# KiCad board Stima V4 Master.kicad_pcb (continued)
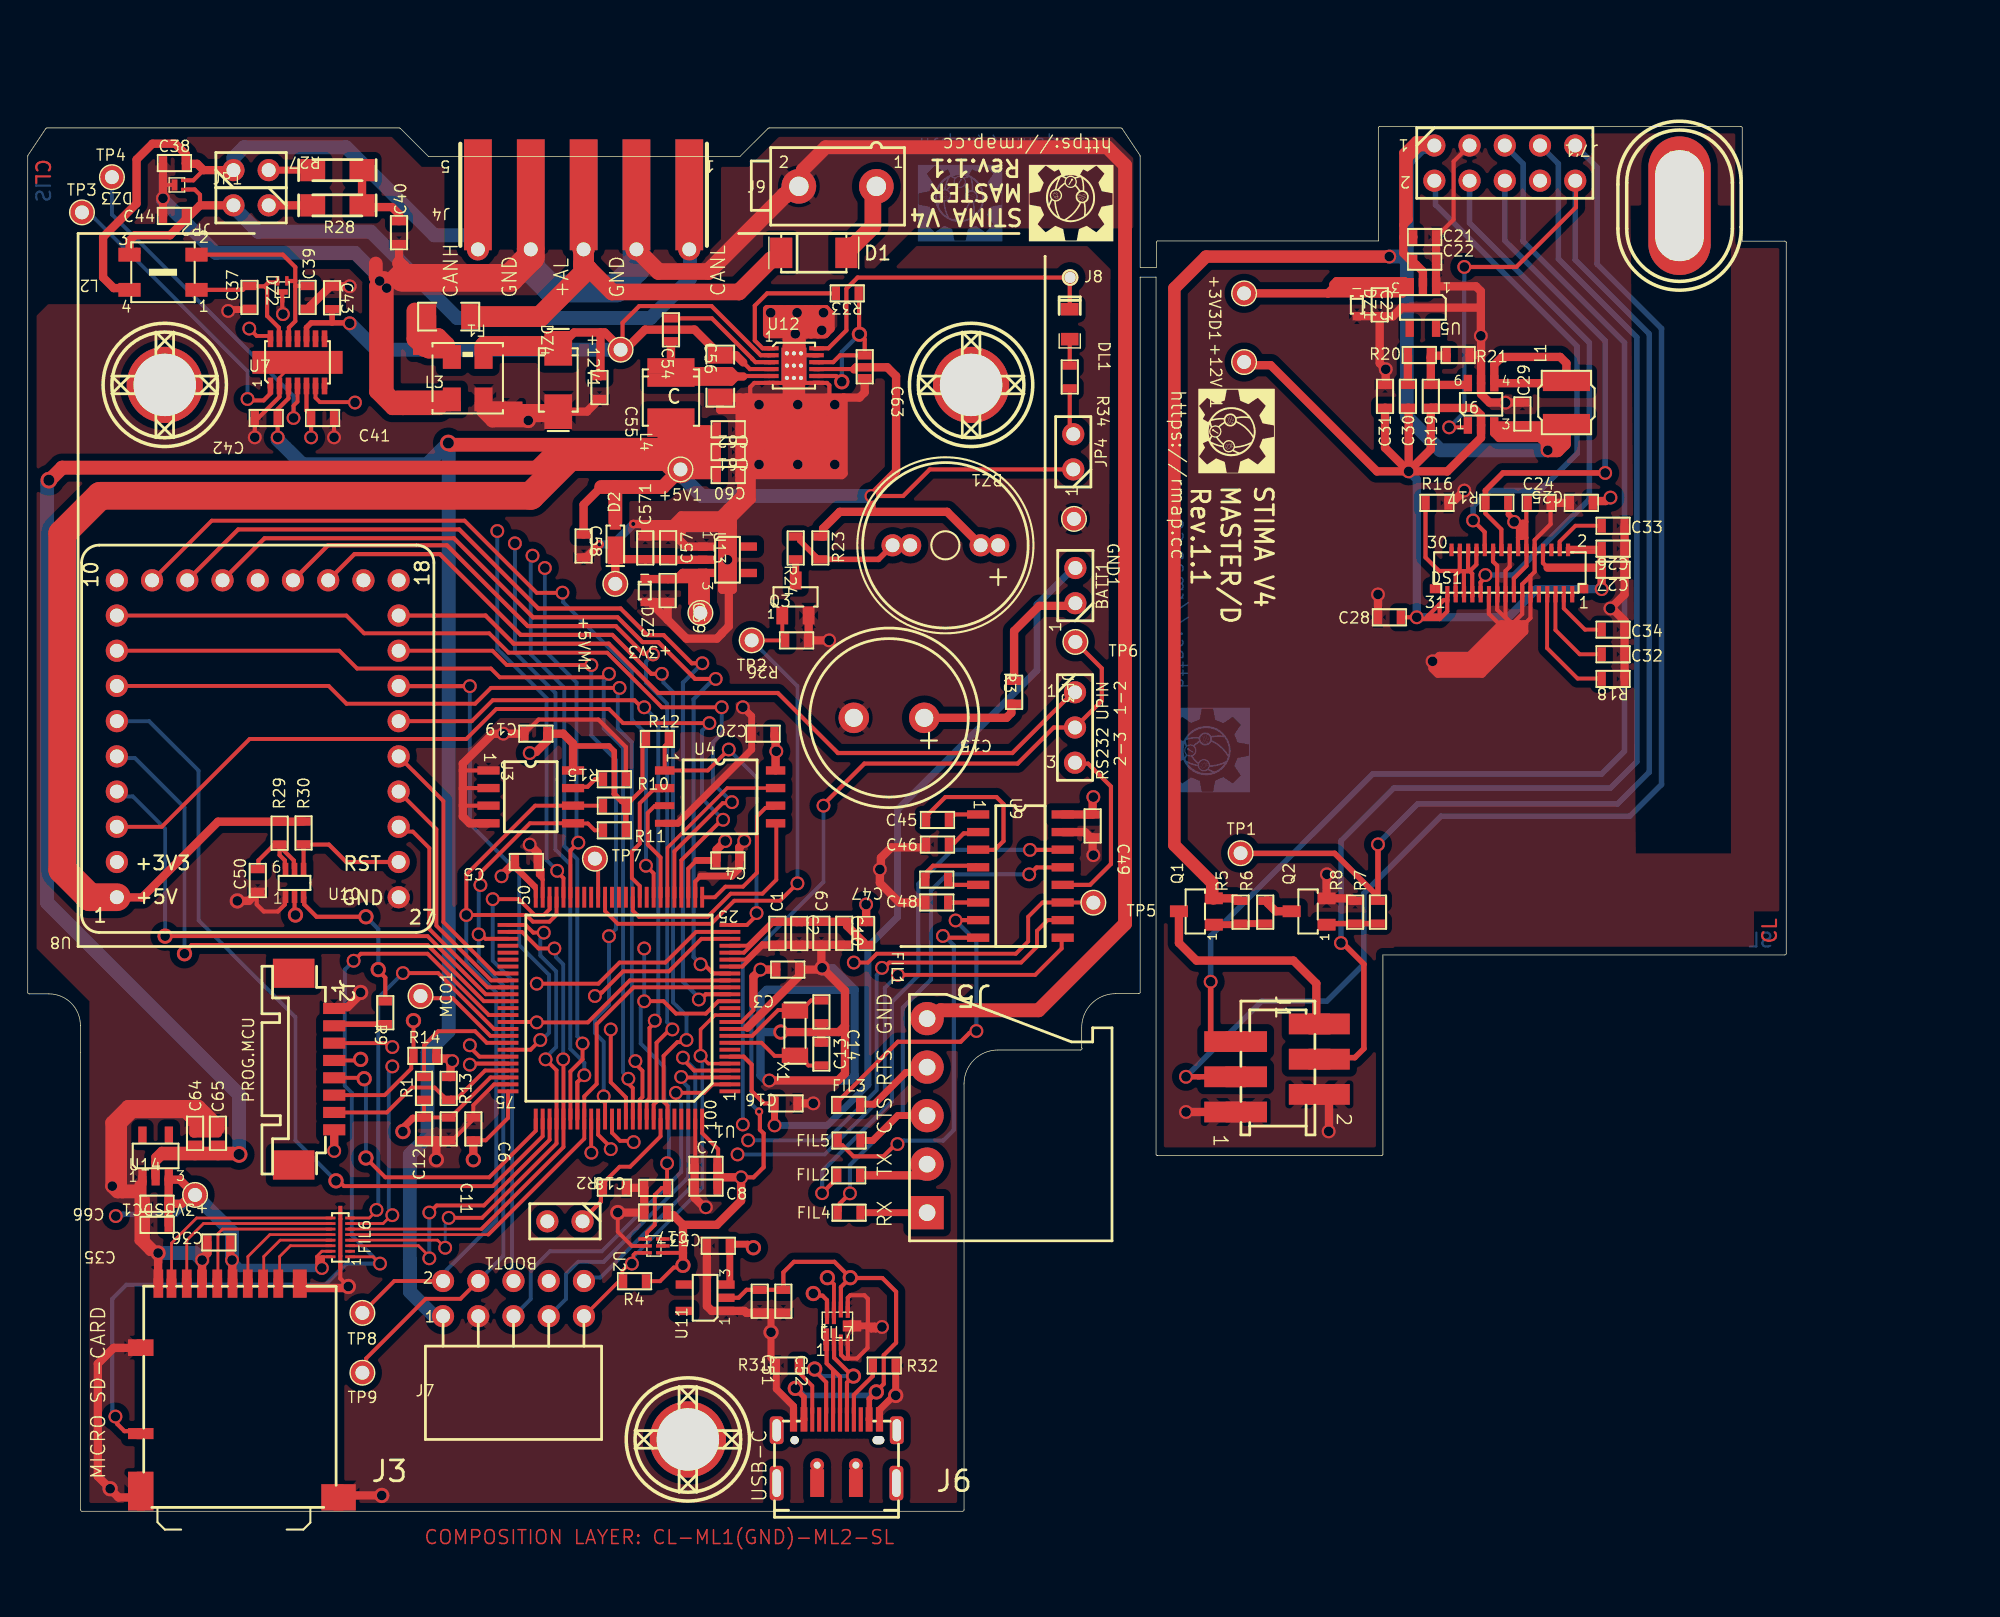
[diagram p0: board, top side]
## Footprints (pads in the part's own frame, mm; a bottom-side part is the same pattern mirrored in y, then rotated) (continued)
FILTRO DLW5B MIO
  rect 2.3x0.7 smd: 1(-1.143,0) 1(0,0) 2(3.302,0) 2(4.445,0) 3(3.302,-4.064) 3(4.445,-4.064) 4(-1.143,-4.064) 4(0,-4.064)
  rect 1.3x1.7 smd: 1(0.508,-0.508) 2(2.794,-0.508) 3(2.794,-3.556) 4(0.508,-3.556)
HVSON14 MIO
  rect 0.4x0.8 smd: 1(0,0) 1(0,-0.406) 2(0.65,0) 2(0.65,-0.406) 3(1.3,0) 3(1.3,-0.406) 4(1.95,0) 4(1.95,-0.406) 5(2.6,0) 5(2.6,-0.406) 6(3.25,0) 6(3.25,-0.406) 7(3.9,0) 7(3.9,-0.406) 8(3.9,3.406) 8(3.9,3) 9(3.25,3.406) 9(3.25,3) 10(2.6,3.406) 10(2.6,3) 11(1.95,3.406) 11(1.95,3) 12(1.3,3.406) 12(1.3,3) 13(0.65,3.406) 13(0.65,3) 14(0,3.406) 14(0,3)
  rect 6.5x1.65 smd: 15(1.95,1.5)
LQFP100P05
  rect 1.5x0.28 smd: 1(0,0) 2(0,-0.5) 3(0,-1) 4(0,-1.5) 5(0,-2) 6(0,-2.5) 7(0,-3) 8(0,-3.5) 9(0,-4) 10(0,-4.5) 11(0,-5) 12(0,-5.5) 13(0,-6) 14(0,-6.5) 15(0,-7) 16(0,-7.5) 17(0,-8) 18(0,-8.5) 19(0,-9) 20(0,-9.5) 21(0,-10) 22(0,-10.5) 23(0,-11) 24(0,-11.5) 25(0,-12) 51(16,-12) 52(16,-11.5) 53(16,-11) 54(16,-10.5) 55(16,-10) 56(16,-9.5) 57(16,-9) 58(16,-8.5) 59(16,-8) 60(16,-7.5) 61(16,-7) 62(16,-6.5) 63(16,-6) 64(16,-5.5) 65(16,-5) 66(16,-4.5) 67(16,-4) 68(16,-3.5) 69(16,-3) 70(16,-2.5) 71(16,-2) 72(16,-1.5) 73(16,-1) 74(16,-0.5) 75(16,0)
  rect 0.28x1.5 smd: 26(2,-14) 27(2.5,-14) 28(3,-14) 29(3.5,-14) 30(4,-14) 31(4.5,-14) 32(5,-14) 33(5.5,-14) 34(6,-14) 35(6.5,-14) 36(7,-14) 37(7.5,-14) 38(8,-14) 39(8.5,-14) 40(9,-14) 41(9.5,-14) 42(10,-14) 43(10.5,-14) 44(11,-14) 45(11.5,-14) 46(12,-14) 47(12.5,-14) 48(13,-14) 49(13.5,-14) 50(14,-14) 76(14,2) 77(13.5,2) 78(13,2) 79(12.5,2) 80(12,2) 81(11.5,2) 82(11,2) 83(10.5,2) 84(10,2) 85(9.5,2) 86(9,2) 87(8.5,2) 88(8,2) 89(7.5,2) 90(7,2) 91(6.5,2) 92(6,2) 93(5.5,2) 94(5,2) 95(4.5,2) 96(4,2) 97(3.5,2) 98(3,2) 99(2.5,2) 100(2,2)
MELFRESMMA0204
  rect 1.8x1.6 smd: 1(0,0) 2(3.556,0)
MICROSMP
  rect 2x1.1 smd: 1(0,0)
  rect 0.8x0.8 smd: 2(1.9,0)
MOLEX8P1_25SMD
  rect 2.1x3 smd: (-2.54,-2.921) (11.29,-2.921)
  rect 0.8x1.6 smd: 1(0,0) 2(1.25,0) 3(2.5,0) 4(3.75,0) 5(5,0) 6(6.25,0) 7(7.5,0) 8(8.75,0)
QFN-3L-DFN1110-MIO
  rect 0.45x0.25 smd: 1(-1.27,0.33) 1(-1.041,0.33) 2(-1.27,-0.33) 2(-1.041,-0.33)
  rect 0.4x0.8 smd: 3(-0.356,0)
  rect 0.4x0.3 smd: 3(0,0) 3(0.203,0)
QMELFD
  rect 1.6x2.2 smd: 1(0,0) 2(4.699,0)
SD CARD MICRO HIROSE MIO
  rect 0.7x1.4 smd: 1(0,0.635) 1(0,0) 2(-1.1,0.635) 2(-1.1,0) 3(-2.2,0.635) 3(-2.2,0) 4(-3.3,0.635) 4(-3.3,0) 5(-4.4,0.635) 5(-4.4,0) 6(-5.5,0.635) 6(-5.5,0) 7(-6.6,0.635) 7(-6.6,0) 8(-7.7,0.635) 8(-7.7,0) CD2(-8.65,0.635) CD2(-8.65,0)
  rect 1.2x0.8 smd: CD1(-10.235,-10.5) CD1(-9.6,-10.5)
  rect 1.2x1.2 smd: SCH(-10.235,-4.3) SCH(-9.6,-4.3)
  rect 1.2x2.8 smd: SCH(-10.235,-14.65) SCH(-9.6,-14.65)
  rect 1x1.4 smd: SCH(1.55,0.635) SCH(1.55,0)
  rect 1.6x1.9 smd: SCH(3.9,-15.1) SCH(4.789,-15.1)
SMA
  rect 2.5x2 smd: 1(0,0) 2(4.572,0)
SO8
  rect 0.6x1.6 smd: 1(0,0) 2(1.27,0) 3(2.54,0) 4(3.81,0) 5(3.81,6.096) 6(2.54,6.096) 7(1.27,6.096) 8(0,6.096)
SO8W
  rect 1.4x0.6 smd: 1(0,0) 2(0,-1.27) 5(8,-3.81) 6(8,-2.54) 7(8,-1.27) 8(8,0)
  rect 1.4x0.5 smd: 3(0,-2.54) 4(0,-3.81)
SO16
  rect 0.6x1.6 smd: 1(0,0) 2(1.27,0) 3(2.54,0) 4(3.81,0) 5(5.08,0) 6(6.35,0) 7(7.62,0) 8(8.89,0) 9(8.89,6.096) 10(7.62,6.096) 11(6.35,6.096) 12(5.08,6.096) 13(3.81,6.096) 14(2.54,6.096) 15(1.27,6.096) 16(0,6.096)
SOD 523(SC-79)
  rect 0.6x0.6 smd: 1(0,0) 2(1.651,0)
SOT23
  rect 0.85x1.3 smd: 1(0,0) 2(1.9,0) 3(0.965,2.515)
SOT23_5
  rect 0.6x1.2 smd: 1(0,0) 2(0.95,0) 3(1.9,0) 4(1.905,3.048) 5(0,3.048)
SOT23_6
  rect 0.6x1.2 smd: 1(0,0) 2(0.95,0) 3(1.9,0) 4(1.905,3.048) 5(0.95,3.048) 6(0,3.048)
SOT363(SC70)
  rect 0.4x0.9 smd: 1(0,0) 2(0.65,0) 3(1.3,0) 4(1.3,2) 5(0.65,2) 6(0,2)
STRIP2P
  round 1.6 hole 1: 1(0,0) 2(2.54,0)
STRIP3PP254
  round 1.6 hole 1: 1(0,0) 2(2.54,0) 3(5.08,0)
TDFN 12L MIO
  rect 0.8x0.3 smd: 1(0,0) 1(0.254,0) 2(0,-0.5) 2(0.254,-0.5) 3(0,-1) 3(0.254,-1) 4(0,-1.5) 4(0.254,-1.5) 5(0,-2) 5(0.254,-2) 6(0,-2.5) 6(0.254,-2.5) 7(3.254,-2.5) 7(3.508,-2.5) 7(3.508,-2.5) 8(3.254,-2) 8(3.508,-2) 9(3.254,-1.5) 9(3.508,-1.5) 10(3.254,-1) 10(3.508,-1) 11(3.254,-0.5) 11(3.508,-0.5) 12(3.254,0) 12(3.508,0)
  round 0.6 hole 0.3: 13(1.246,-0.361) 13(1.246,-1.25) 13(1.246,-2.139) 13(1.754,-0.361) 13(1.754,-2.139) 13(2.262,-0.361) 13(2.262,-1.25) 13(2.262,-2.139)
  rect 1.8x2.6 hole 0.3: 13(1.754,-1.25)
TP
  round 1.8 hole 1: 1(0,0)
UDFN6 - MIO
  rect 0.25x0.7 smd: 1(0,0) 1(0,-0.279) 2(0.5,0) 2(0.5,-0.279) 3(1,0) 3(1,-0.279) 4(1,1.279) 4(1,1) 5(0.5,1.279) 5(0.5,1) 6(0,1.279) 6(0,1)
UPIN27_OK
  round 1.6 hole 1: 1(0,0) 2(0,-2.54) 3(0,-5.08) 4(0,-7.62) 5(0,-10.16) 6(0,-12.7) 7(0,-15.24) 8(0,-17.78) 9(0,-20.32) 10(0,-22.86) 11(-2.54,-22.86) 12(-5.08,-22.86) 13(-7.62,-22.86) 14(-10.16,-22.86) 15(-12.7,-22.86) 16(-15.24,-22.86) 17(-17.78,-22.86) 18(-20.32,-22.86) 19(-20.32,-20.32) 20(-20.32,-17.78) 21(-20.32,-15.24) 22(-20.32,-12.7) 23(-20.32,-10.16) 24(-20.32,-7.62) 25(-20.32,-5.08) 26(-20.32,-2.54) 27(-20.32,0)
USB TYPE C 16PIN MIO
  rrect 1x2 hole 0.6x1.6: (-1.218,-0.406) (7.443,-0.406)
  rrect 1x2.5 hole 0.6x2: (-1.218,-4.216) (7.418,-4.216)
  round 0.6 hole 0.6 unplated: (0.077,-1.118)
  round 1 hole 0.5: (1.702,-2.921) (4.497,-2.921)
  rect 1x2 smd: (1.703,-4.216) (4.497,-4.216)
  oval 0.85x0.6 hole 0.85x0.6 unplated: (6.123,-1.118)
  rect 0.52x1 smd: A1(0,0) A12(6.2,0) B1(6.2,0.762) B12(0,0.762)
  rect 0.5x1 smd: A4(0.75,0) A9(5.45,0) B4(5.45,0.762) B9(0.75,0.762)
  rect 0.291x1.75 smd: A5(1.349,0.375)
  rect 0.3x1.75 smd: A6(2.85,0.375) A7(3.85,0.375) A8(4.85,0.375) B5(4.35,0.375) B6(3.35,0.375) B7(2.35,0.375) B8(1.85,0.375)
VIAS0_8
  round 1.2 hole 0.8: 1(0,0)
ViteDado4
  round 5.5 hole 4.5: 1(0,0)
WDFN8 - MIO
  rect 0.4x1.2 smd: 1(0,0) 1(0,-0.432)
  rect 0.3x1.2 smd: 2(0.551,0) 2(0.551,-0.432) 7(0.551,1.935) 7(0.551,1.503) 8(0.051,1.935) 8(0.051,1.503)
  rect 0.3x0.75 smd: 3(1.051,-0.225) 3(1.051,-0.657) 4(1.551,-0.225) 4(1.551,-0.657) 5(1.551,2.16) 5(1.551,1.729) 6(1.051,2.16)
  rect 0.3x0.7 smd: 6(1.051,1.729)
  rect 0.9x0.8 smd: GND(1.639,0.777) GND(2.071,0.777)

## Nets
3V3USB: C11.1 C12.2 C53.1 R1.1 U1.73 U11.3
+3V3: +3V3.1 BOOT1.2 C3.2 C4.2 C5.2 C6.2 C7.2 C8.2 C17.1 C19.1 C20.1 C41.1 C49.1 C59.1 DZ5.1 FIL1.1 J2.8 R4.2 R10.2 R11.2 R12.1 R13.2 R14.2 U1.11 U1.28 U1.50 U1.75 U1.100 U2.4 U3.8 U4.8 U7.5 U8.2 U9.16 U10.2 U13.3
+3V3D: +3V3D1.1 C23.1 C24.1 C25.1 DS1.12 DS1.14 DS1.15 DZ1.1 R17.1 U5.3
+3V3SDC: +3V3SDC1.1 C35.1 C36.1 C66.1 FIL6.15 FIL6.16 J3.4 U14.3
+5V: +5V1.1 BZ1.1 C21.1 C22.1 C29.1 C42.1 C58.1 C60.2 C61.2 C62.2 C64.1 C65.1 D2.2 J7.1 J7'1.1 JP4.1 L1.1 L4.2 Q1.2 R5.2 R23.2 R29.2 R30.2 U5.2 U6.3 U7.3 U8.1 U12.9 U14.2
+5VE: J1.6 Q1.3
+12V: +12V1.1 C43.2 C55.1 C56.1 DZ4.1 L3.2 U7.10 U12.2 U12.4
/Stima V4 Master_Display&SDC/+12VD: +12VD1.1 C26.2 C27.2 C28.2 C30.1 C31.1 DS1.2 DS1.8 DS1.31 R19.1 U6.2
GND: C1.1 C2.2 C3.1 C4.1 C5.1 C6.1 C7.1 C8.1 C9.1 C10.2 C11.2 C12.1 C13.2 C14.2 C15.2 C16.1 C17.2 C18.2 C19.2 C20.2 C21.2 C22.2 C23.2 C24.2 C25.2 C26.1 C27.1 C28.1 C29.2 C31.2 C32.2 C33.2 C34.2 C35.2 C36.2 C37.1 C39.1 C41.2 C42.2 C43.1 C46.1 C48.1 C49.2 C50.1 C51.2 C52.2 C53.2 C55.2 C56.2 C57.2 C58.2 C59.2 C60.1 C61.1 C62.1 C63.2 C64.2 C65.2 C66.2 C571.2 DS1.10 DS1.11 DS1.13 DS1.16 DS1.17 DS1.19 DS1.20 DS1.21 DZ1.2 DZ2.3 DZ4.2 DZ5.2 FIL6.17 FIL7.3 FIL7.4 FIL7.5 FIL7.GND GND1.1 J1.1 J1.2 J2.1 J3.6 J3.CD2 J3.SCH J6.A1 J6.A12 J6.B1 J6.B12 J7.3 J7'1.3 L3.3 Q2.2 Q3.2 R2.1 R8.2 R15.1 R16.2 R18.1 R21.2 R26.1 R31.1 R32.2 U1.10 U1.19 U1.20 U1.27 U1.49 U1.74 U1.99 U2.2 U3.1 U3.2 U3.3 U3.4 U4.4 U5.1 U6.5 U7.2 U7.15 U8.27 U9.15 U10.1 U11.1 U12.6 U12.7 U12.11 U12.13 U13.1 U14.1
+AL: D1.1 F1.1 J4.3
-RES_DISP: DS1.18 J7.6 J7'1.6 R17.2 U1.48
-RESET: C18.1 R9.1 U1.14 U2.1 U10.3
/Stima V4 Master_Can_RS232/CANH: C38.2 DZ3.2 J4.5 JP1.1 L2.4
/Stima V4 Master_Can_RS232/CANL: C44.2 DZ3.1 J4.1 JP2.2 L2.3
/Stima V4 Master_Can_RS232/RST: R30.1 U8.26 U10.4
/Stima V4 Master_Can_RS232/USART2_RX: JP3.1 U8.19
/Stima V4 Master_Cpu/PA2/F_-CS: R12.2 U1.25 U4.1
/Stima V4 Master_Cpu/PA3/F_SCK: U1.26 U4.6
/Stima V4 Master_Cpu/PA6/F_I/O3: U1.31 U4.7
/Stima V4 Master_Cpu/PA7/F_I/O2: U1.32 U4.3
/Stima V4 Master_Cpu/PA13/SWDIO: J2.7 R13.1 U1.72
/Stima V4 Master_Cpu/PA14/SWCLK: J2.5 U1.76
/Stima V4 Master_Cpu/PB0/F_I/O1: U1.35 U4.2
/Stima V4 Master_Cpu/PB1/F_I/O0: U1.36 U4.5
/Stima V4 Master_Cpu/PB3/SWO: J2.3 U1.89
/Stima V4 Master_Cpu/USART4_RX: J2.6 R14.1 U1.24
/Stima V4 Master_Cpu/USART4_TX: J2.4 U1.23
BUZZER: Q3.1 R26.2 TP2.1 U1.40
CAN1_RX: TP4.1 U1.81 U7.4
CAN1_TX: TP3.1 U1.82 U7.1
EGND: C38.1 C40.1 C44.1 DZ3.3 J4.2 J4.4 J5.5 J9.2 L3.4
EN+5VE: J7.10 J7'1.10 R7.2 TP1.1 U1.4 U6.1
EN_CAN: U1.45 U7.6
ENC_A: J1.5 J7.5 J7'1.5 U1.2
ENC_B: J1.4 J7.7 J7'1.7 U1.3
I2C1_SCL: U1.95 U8.16
I2C1_SDA: U1.93 U8.15
KEY1: J1.3 J7.9 J7'1.9 R4.1 U1.5 U1.12 U2.3
PA11/USB_DM: FIL7.7 U1.70
PA12/USB_DP: FIL7.8 U1.71
PB10/I2C2_SCL: DS1.22 J7.2 J7'1.2 R10.1 TP8.1 U1.47 U3.6
PB14/I2C2_SDA: DS1.23 J7.4 J7'1.4 R11.1 TP9.1 U1.53 U3.5
PD3/232_CTS: U1.84 U9.9
PD4/232_RTS: U1.85 U9.10
PD5/232_TX: TP5.1 U1.86 U8.20 U9.11
PD6/232_RX: JP3.2 TP6.1 U1.87
SD_DTC: FIL6.1 J3.CD1 U1.64
SDMMC1_CK: FIL6.6 U1.52 U1.80
SDMMC1_CMD: FIL6.5 U1.16 U1.83
SDMMC1_D0: FIL6.7 U1.17 U1.65
SDMMC1_D1: FIL6.8 U1.66
SDMMC1_D2: FIL6.3 U1.78
SDMMC1_D3: FIL6.4 U1.51 U1.79
SPI1_CLK: U1.30 U8.9
SPI1_MISO: U1.90 U8.8
SPI1_MOSI: U1.91 U8.7
SPI1_NSS: U1.29 U8.3
STB_CAN: U1.46 U7.14
UPIN27_D4: U1.58 U8.23
UPIN27_D5: U1.59 U8.24
UPIN27_D6: U1.60 U8.25
UPIN27_D8: U1.61 U8.4
UPIN27_D9: U1.62 U8.5
UPIN27_D10: U1.77 U8.6
UPIN27_PC0: U1.15 U8.12
UPIN27_PC3: U1.18 U8.13
UPIN27_PC4: U1.33 U8.11
USART1_RX: U1.69 U8.21
USART1_TX: U1.92 U8.22
Net-(BATT1-Pad1): BATT1.1 R3.1
Net-(BZ1--): BZ1.2 R23.1 R24.1
Net-(C15-Pad1): C15.1 R3.2
Net-(C30-Pad2): C30.2 R20.1
Net-(C40-Pad2): C40.2 R27.1 R28.2
Net-(D1-A): D1.2 J9.1
Net-(D2-K): +5VM1.1 C57.1 C571.1 D2.1 U13.2
Net-(DL1-A): DL1.2 R34.1
Net-(DL1-K): DL1.1 J8.1 U12.12
Net-(DS1-D2): DS1.24 DS1.25 DS1.26 DS1.27 DS1.28 DS1.29 R16.1
Net-(DS1-IREF): DS1.7 R18.2
Net-(DS1-VCOMH): C33.1 DS1.4
Net-(DS1-VSEGM): C34.1 DS1.3
Net-(DS1-VSL): C32.1 DS1.5
Net-(F1-Pad2): F1.2 L3.1
Net-(FIL2-Pad2): FIL2.2 J5.2
Net-(FIL3-Pad2): FIL3.2 J5.4
Net-(FIL4-Pad2): FIL4.2 J5.1
Net-(FIL5-Pad2): FIL5.2 J5.3
Net-(FIL6-CLK_EX): FIL6.11 J3.5
Net-(FIL6-CMD_EX): FIL6.12 J3.3
Net-(FIL6-DAT0_EX): FIL6.10 J3.7
Net-(FIL6-DAT1_EX): FIL6.9 J3.8
Net-(FIL6-DAT2_EX): FIL6.14 J3.1
Net-(FIL6-DAT3_EX): FIL6.13 J3.2
Net-(FIL7-IN1+): FIL7.1 J6.A6 J6.B6
Net-(FIL7-IN1-): FIL7.2 J6.A7 J6.B7
Net-(FIL7-VBUS/ID): C51.1 C52.1 FIL7.6 J6.A4 J6.A9 J6.B4 J6.B9 U11.2
Net-(J2-Pad2): J2.2 R9.2
Net-(J6-CC1): J6.A5 R31.2
Net-(J6-CC2): J6.B5 R32.1
Net-(JP1-Pad2): JP1.2 R27.2
Net-(JP2-Pad1): JP2.1 R28.1
Net-(JP4-Pad2): JP4.2 R34.2
Net-(Q1-B): Q1.1 R5.1 R6.1
Net-(Q2-D): Q2.3 R6.2
Net-(Q2-G): Q2.1 R7.1 R8.1
Net-(Q3-D): Q3.3 R24.2
Net-(U1A-PA8): MCO1.1 U1.67
Net-(U1A-PA9): R1.2 U1.68
Net-(U1A-PE10): TP7.1 U1.41
Net-(U1B-PC14/OSC32_IN): C13.1 U1.8 X1.2
Net-(U1B-PC15/OSC32_OUT): C14.1 U1.9 X1.1
Net-(U1B-PH3/BOOT0): BOOT1.1 R2.2 U1.94
Net-(U1B-VBAT): BATT1.2 C16.2 U1.6
Net-(U1B-VDDA): C1.2 C2.1 C9.2 C10.1 FIL1.2 U1.21 U1.22
Net-(U3-WP): R15.2 U3.7
Net-(U6-LX): L1.2 U6.4
Net-(U6-VFB): R19.2 R20.2 R21.1 U6.6
Net-(U7-CANH): C37.2 DZ2.2 L2.1 U7.13
Net-(U7-CANL): C39.2 DZ2.1 L2.2 U7.12
Net-(U9-C1+): C45.2 U9.1
Net-(U9-C1-): C45.1 U9.3
Net-(U9-C2+): C47.2 U9.4
Net-(U9-C2-): C47.1 U9.5
Net-(U9-DO1): FIL2.1 U9.14
Net-(U9-DO2): FIL3.1 U9.7
Net-(U9-RIN1): FIL4.1 U9.13
Net-(U9-RIN2): FIL5.1 U9.8
Net-(U9-RO1): JP3.3 U9.12
Net-(U9-V+): C46.2 U9.2
Net-(U9-V-): C48.2 U9.6
Net-(U10-EN): C50.2 R29.1 U10.5 U10.6
Net-(U12-BIAS): C63.1 R33.1 U12.8 U12.10
Net-(U12-BST): C54.1 U12.3
Net-(U12-LX): C54.2 L4.1 U12.5
Net-(U12-SPS): R33.2 U12.1

Pads without a net: A1 1; A2 1; A3 1; A4 1; DS1 1 6 9 30; FIL6 2; J6 A8 B8; J7 8; J7'1 8; U1 1 7 13 34 37 38 39 42 43 44 54 55 56 57 63 88 96 97 98; U2 5 6; U5 4 5; U7 7 8 9 11; U8 10 14 17 18; U11 4 5; U13 4 5; U14 4 5

## Via types
v1: diameter 1, hole 0.7, Top Layer to Bottom Layer, 162 vias
v2: diameter 1.1, hole 0.7, Top Layer to Bottom Layer, 43 vias
v3: diameter 0.6, hole 0.3, Top Layer to Bottom Layer, 3 vias
v4: diameter 1.2, hole 0.8, Top Layer to Bottom Layer, 3 vias

## Routing (per net, layer and track width the routed paths; a pad name or vN(x,y) marks a point on that pad's centre or on a via; arc(x,y) is an arc through that point)
3V3USB: length 44.4
  Top Layer w0.28: R1.1 C12.2 C11.1 30.55,28.41 30.71,28.57 30.71,28.64 33.37,31.29 U1.73
  Top Layer w0.5: C12.2 28.53,28.36 27.76,28.36 27.17,27.76 27.17,27.51 v2(27.05,27.39) ; U11.3 50.57,16.35 50.62,16.4 50.62,19.21 50.67,19.26 51.91,19.26 52.16,19.01 v2(52.32,19.01)
  Mid-Layer 2 w0.5: v2(27.05,27.39) 27.17,27.51 27.59,27.51 27.6,27.52 32.77,27.52 37.59,22.69 43.31,22.69 46.99,19.01 v2(52.32,19.01)
+3V3: length 116.5
  Top Layer w0.28: C5.2 35.29,46.68 35.29,46.46 ; 35.29,46.46 36.63,45.12 36.63,44.9 ; 35.29,46.46 35.29,46.21 36.59,44.9 36.63,44.9 ; 52.32,36.54 52.32,36.15 51.46,35.29 U1.11 ; U1.50 36.63,44.9 ; v2(47.24,17.74) 47.09,17.59 46.58,17.59 45.59,16.6 R4.2 ; C7.2 49.78,25.04 49.78,26.12 48.63,27.28 U1.100 ; U2.4 47.24,18.64 ; U1.75 34.63,28.36 33.02,26.76 32.26,26.76
  Top Layer w0.3: U1.28 47.63,46.36 48.22,46.95 ; U10.2 19.24,43.08 v2(19.3,43.01) ; v3(52.73,28.83) 52.79,28.77 52.79,27.52 53.06,27.25 53.06,24.82 52.33,24.09 v1(51.43,24.09) ; R10.2 43.13,51.1 43.28,51.25 43.48,51.25 44.32,52.1 44.32,55.26 44.58,55.51 R12.1 ; U7.5 20.1,79.39 20.28,79.22 20.28,79.22 20.43,79.07 C41.1 v1(20.43,77.47) ; C4.2 49.67,46.96
  Top Layer w0.4: 43.13,51.1 43.03,51.2 42.83,51.2 42.29,51.74 42.29,54.82 41.91,55.2 39.5,55.2 39.32,55.38 ; R11.2 R10.2
  Top Layer w0.5: 48.22,46.95 C4.2
  Top Layer w0.6: 48.89,67.69 U13.3 ; 48.89,67.69 48.89,65.52 48.5,65.13 +3V3.1 48.5,64.97 47.92,65.55 47.92,67.24 ; 48.89,67.69 47.22,67.69 46.77,67.24 ; 49.73,24.09 C7.2 ; 49.73,24.09 51.31,24.09 ; 49.73,24.09 C8.2 ; R13.2 30.49,31.33 30.49,32.24 30.61,32.36 v1(30.61,32.47) 30.5,32.47 30.31,32.66 29.46,32.66 R14.2 ; 46.77,67.24 C59.1 DZ5.1 ; 46.77,67.24 47.92,67.24 ; 47.24,20.66 v2(47.24,17.74) ; 47.24,20.66 46.55,21.35 46.1,21.35 C17.1 ; 47.24,20.66 49.69,20.66 51.43,22.4 v1(51.43,24.09) ; 47.92,67.24 48.3,67.24 48.42,67.37 48.42,65.72 48.71,65.43 ; U9.16 C49.1 76.78,51.34 ; C5.2 35.13,46.64 34.94,46.64 34.16,45.86 v1(34.16,45.81) ; U4.8 53.92,54.82 ; 53.92,54.82 53.92,55.84 53.85,55.92 C20.1 ; 53.92,54.82 v1(53.97,54.82) ; v2(32.13,25.36) C6.2 ; v1(22.1,25.99) J2.8 ; 52.32,36.54 52.32,38.57 v1(52.83,39.08) C3.2 ; 49.67,46.96 49.67,47.72 v1(50.29,48.35) ; v1(36.19,54.7) 36.27,54.77 36.65,54.77 37.46,55.59 C19.1 38.61,56.09 39.32,55.38 U3.8 ; FIL1.1 v1(60.45,43.77)
  Bottom Layer w0.3: v3(52.73,28.83) 52.18,29.38 52.18,38.43 v1(52.83,39.08)
  vias: v1(76.83,51.52)
+3V3D: length 40.3
  Top Layer w0.3: 108.05,70.23 108.05,69.24 108.06,69.23 108.06,68.2 107.15,67.29 107.15,66.37 ; 108.05,70.23 107.68,70.23 ; 108.05,70.23 108.05,71.37 ; 107.68,70.23 107.81,70.36 107.81,71.37 ; 107.68,70.23 107.45,70.23 ; 107.68,70.23 107.68,71.25 107.81,71.37 ; 108.05,71.37 107.81,71.37 ; 108.05,71.37 108.05,72.64 C24.1 ; 107.45,70.23 107.45,69.25 ; 107.45,70.23 107.45,70.91 107.18,71.18 v1(107.18,71.37) 107.81,71.37
  Top Layer w0.4: R17.1 106.77,72.73 106.77,71.91 107.18,71.5 v1(107.18,71.37)
  Top Layer w0.6: v1(114.12,73.13) 114.01,73.13 113.77,72.88 112.85,72.88 C25.1 ; +3V3D1.1 93.74,87.86 ; 93.74,87.86 DZ1.1 C23.1 99.14,87.86 99.35,88.07 99.65,88.07 U5.3 ; 93.74,87.86 94.25,88.37 U5.3 ; 94.13,88.49 94.37,88.73 99.28,88.73 99.35,88.67 99.65,88.67 U5.3
+3V3SDC: length 35.1
  Top Layer w0.2: 21.15,17.55 21.15,17.8 ; 21.15,17.55 20.83,17.87 20.83,18.37 ; 21.15,17.55 21.21,17.49 21.34,17.61 21.34,18.36 ; 21.15,17.8 21.15,17.99 ; 21.15,17.8 20.95,17.99 20.95,18.25 ; 21.21,18.36 21.34,18.36 ; 21.21,18.36 21.21,18.06 21.15,17.99 ; 21.21,18.36 20.85,18.36 20.83,18.37 ; 21.34,18.36 FIL6.16 ; 20.83,18.37 21.21,18.76 FIL6.15 ; 21.15,17.99 21.15,18.18 21.08,18.25
  Top Layer w0.5: 14.73,16.14 J3.4
  Top Layer w0.6: 10.16,23.92 10.96,23.92 +3V3SDC1.1 11.75,22.82 11.11,22.18 10.16,22.18 ; 10.16,23.92 10.16,22.18 ; 10.16,23.92 10.16,24.09 ; 10.16,22.18 C35.1 ; C36.1 14.6,18.36 14.73,18.23 v1(14.73,18.12) 14.75,18.1 14.75,16.75 J3.4
  Bottom Layer w0.4: +3V3SDC1.1 10.67,21.42 6.88,21.42 6.87,21.41 6.46,21.41 v1(6.35,21.3)
  Bottom Layer w0.6: v1(21.21,17.55) 15.3,17.55 v1(14.73,18.12)
  Bottom Layer w1: v1(14.73,18.12) 14.73,20.15 +3V3SDC1.1
+5V: length 788.3
  Top Layer w0.2: 101.42,98.78 101.42,98.91
  Top Layer w0.3: v1(60.83,73.24) 63.12,73.24 65.04,75.16 JP4.1 ; 59.46,82.39 U12.9 U12.9 ; v1(18.02,77.47) C42.1 18.02,79.5 18.8,80.28 U7.3
  Top Layer w0.6: R30.2 19.51,49.76 19.5,49.74 R29.2 13.72,49.74 8.25,44.28 6.44,44.28 U8.1 ; 46.13,76.15 45.72,76.55 45.72,77.94 ; 46.13,76.15 46.86,75.41 ; 46.13,76.15 46.13,76.91 ; 41.35,73.89 40.08,72.62 C58.1 ; 9.21,24.09 9.21,25.17 ; 9.21,25.17 9.21,25.55 9.65,25.99 14.82,25.99 15.08,25.74 ; 9.21,25.17 9.65,25.61 14.95,25.61 15.08,25.74 ; 15.08,25.74 v4(15.24,25.74) ; 60.83,72.1 66.29,72.1 BZ1.1 ; 60.83,72.1 v1(60.83,73.24) 62.61,75.02 62.61,81.89 61.97,82.52 59.74,82.52 59.59,82.37 ; 60.83,72.1 58.55,72.1 57.35,70.9 57.35,70.32 R23.2 ; 99.19,91.91 99.9,91.91 C21.1 ; 99.19,91.91 99.19,90.76 99.82,90.13 ; 99.19,91.91 99.19,92.8 ; 47.09,74.75 C60.2 ; C60.2 49.68,74.55 ; C60.2 C61.2 C62.2 L4.2 ; Q1.2 87.08,44.22 87.25,44.04 R5.2 ; 109.55,77.78 106.29,77.78 106.04,78.03 105.74,78.03 ; 109.55,77.78 109.19,77.43 106.09,77.43 105.74,77.78 105.74,78.03 ; 109.55,77.78 109.55,78.33 C29.1 U6.3 105.74,78.03 ; 99.19,92.8 99.19,98 100.07,98.89 100.79,98.89 101.15,98.53 J7'1.1 101.29,98.4 100.34,98.4 99.57,97.62 99.57,93.18 99.19,92.8 ; U5.2 100.6,89.44 100.1,89.94 99.9,89.94 99.9,90
  Top Layer w0.9: Q1.2 85.5,44.24 85.41,44.24 85.41,45.32 82.68,48.05 82.68,88.22 84.96,90.51 v1(98.17,90.51)
  Top Layer w1: L1.1 110.77,78.28 110.77,77.02 110.29,76.54 v1(109.6,76.54) ; L1.1 111.15,78.66 ; L1.1 110.17,78.46 109.97,78.26 109.97,76.91 v1(109.6,76.54) ; 38.24,76.87 36.65,75.28 2.48,75.28 1.58,74.38 v4(1.52,74.38) ; 46.87,74.97 46.94,74.9 ; 46.87,74.97 46.79,75.06 ; 46.87,74.97 45.8,73.89 42.37,73.89 ; 46.87,74.97 +5V1.1 ; v1(109.6,76.54) 109.6,77.15 108.97,77.78 ; L4.2 45.77,78.05 45.72,78 45.72,77.94 ; 41.35,73.89 42.37,73.89 ; 42.37,73.89 42.37,71.35 ; 46.38,77.68 46.38,76.91 47.9,75.39 49.05,75.39 49.05,77.54 47.01,77.54 48.41,76.15 48.41,77.04 ; 45.72,76.94 30.51,76.94 30.38,77.06 v4(30.33,77.06)
  Top Layer w2: U8.1 4.47,44.3 2.49,46.28 2.49,70.52 5.22,73.25 36.27,73.25 39.06,76.05 46.18,76.05 +5V1.1
  Layer 1 w0.254: J7.1 29.95,-0.53 35.04,-5.63 103.38,-5.63 140.21,31.2 140.21,93.69 126.87,107.02 105.92,107.02 101.42,102.52 J7'1.1
  Bottom Layer w0.6: v1(18.02,77.47) 18.13,77.47
  Bottom Layer w1: v4(15.24,25.74) 15.24,30.06 1.4,43.9 1.4,74.2 1.52,74.33 v4(1.52,74.38) ; 99.44,90.51 99.44,78.95 101.85,76.54 v1(109.6,76.54) ; 99.44,90.51 99.44,97.37 100.48,98.41 101.31,98.41 J7'1.1 ; 99.44,90.51 v1(98.17,90.51) ; v1(18.02,77.47) 18.02,77.3 19.79,75.54 28.8,75.54 v4(30.33,77.06) 30.35,77.04 30.35,34.63 28.83,33.11 28.83,27.01 27.55,25.73 27.55,18.15 27.56,18.15 27.56,15.83 29.21,14.19 29.83,14.19 J7.1 ; 46.94,74.9 48.6,73.24 v1(60.83,73.24)
+5VE: length 16.5
  Top Layer w0.6: Q1.3 83.01,40.99 84.28,39.72 91.26,39.72 92.91,38.07 92.91,35.6 92.46,35.15 J1.6
+12V: length 72.6
  Top Layer w0.3: 51.59,82.88 52.07,82.39 53.36,82.39 ; U12.2 52.85,83.39 49.3,86.94 44.09,86.94 42.89,85.74 42.89,83.94 +12V1.1
  Top Layer w0.4: v1(23.21,85.7) 23.19,85.72 21.94,85.72 ; 21.94,85.72 C43.2 ; 21.94,85.72 20.43,85.72 20.1,85.39 U7.10
  Top Layer w0.6: DZ4.1 39.39,85.04 41.3,85.04 ; DZ4.1 37.87,84.28 ; DZ4.1 38,83.64 33.63,83.64 33.5,83.77 L3.2 ; 34.44,83.77 34.44,84.28 ; 41.3,85.04 41.61,85.04 42.75,83.9 +12V1.1 43.07,83.79 44.52,85.24 48.08,85.24 C56.1 51.08,83.39 51.59,82.88 ; 41.3,85.04 41.3,81.89 C55.1
  Top Layer w1: 37.87,84.28 32.87,84.28 32.74,84.15
  Bottom Layer w1: +12V1.1 25.12,83.79 v1(23.21,85.7)
/Stima V4 Master_Display&SDC/+12VD: length 88.8
  Top Layer w0.3: 113.49,69.5 111.05,69.5 111.05,69.25 ; 101.8,64.62 101.8,65.38 101.77,65.41 ; 101.8,64.62 100.98,64.62 ; 101.8,64.62 101.8,64.36 ; 102.35,65.74 102.35,64.91 101.8,64.36 ; 102.35,65.74 102.35,65.99 ; 102.35,65.74 102.1,65.74 101.77,65.41 ; 100.85,64.49 100.98,64.62 ; 100.98,64.62 101.77,65.41 ; 101.8,64.36 100.28,64.36 v1(100.15,64.49) C28.2 ; 109.59,68.07 109.25,68.41 109.25,69.5 ; 111.05,69.33 111.05,69.21 113.49,69.21
  Top Layer w0.6: v1(99.57,75.02) 97.87,76.72 C31.1 ; v1(99.57,75.02) 102.36,75.02 104.79,77.44 U6.2 104.79,79.07 104.27,79.59 101.56,79.59 101.54,79.6 R19.1 101.17,76.62 v1(99.57,75.02) ; v1(99.57,75.02) 97.28,75.02 89.62,82.67 87.93,82.67 +12VD1.1 ; C30.1 99.57,79.6 99.57,75.14 ; 109.59,68.07 113.49,68.07 ; 113.49,68.07 113.49,69.21 ; 113.49,68.07 C27.2 v1(113.49,66.52)
  Bottom Layer w0.6: v1(99.57,75.02) 100.15,74.43 v1(100.15,64.49) 106.76,64.49 108.79,66.52 v1(113.49,66.52)
GND: length 915.5
  Top Layer w0.2: U7.15 19.25,82.88 18.15,81.78 U7.2
  Top Layer w0.28: 36.78,46.64 C5.1 ; 36.78,46.64 36.78,45.9 36.92,45.77 ; 36.78,46.64 36.94,46.48 36.96,46.48 ; 36.96,46.48 36.92,46.43 36.92,45.77 ; 36.96,46.48 37.13,46.31 37.13,45.55 ; C7.1 48.13,25.04 U1.99 ; 36.92,45.77 37.13,45.55 ; 37.13,45.55 U1.49 ; U1.74 33.63,30.79 32.13,29.3 C6.1 31.93,28.41 31.77,28.25 ; C1.1 53.91,40.73 52.96,40.73 51.53,39.29 U1.19 ; 51.89,34.88 51.82,34.88 51.73,34.79 U1.10 ; U2.2 43.56,19.14 42.54,20.15 42.54,21.39 42.63,21.47 v2(42.54,21.55) ; U1.20 51.77,39.79 52.96,40.98 53.97,40.98 ; C11.2 30.51,26.92 30.77,26.92 32.19,28.34
  Top Layer w0.3: 59.16,11.02 59.14,11.04 59.14,11.94 ; 59.16,11.02 59.79,11.02 60.55,11.78 60.55,13.31 ; 59.16,11.02 58.9,11.02 58.64,11.28 58.64,11.94 ; 22.09,77.5 C41.2 ; U3.2 31.38,52.17 31.37,52.16 ; 107.01,63.98 105.95,65.04 105.95,68.21 105.65,68.51 105.65,69.5 ; 107.01,63.98 107.01,64.05 106.55,64.51 106.55,65.99 ; 107.01,63.98 107.75,64.72 107.75,66.87 108.35,67.47 ; J7'1.3 102.81,97.38 102.81,93.18 C21.2 ; 60.57,13.29 60.82,13.04 61.15,13.04 61.41,13.29 ; 60.57,13.29 61.41,13.29 ; 60.57,13.29 60.55,13.31 ; 106.55,66.37 106.55,67.83 106.85,68.13 106.85,69.5 ; U3.3 31.38,50.9 31.37,50.89 ; 54.74,81.23 54.57,81.39 U12.6 U12.6 52.39,81.39 52.09,81.1 52.09,80.59 51.84,80.34 ; 61.41,13.29 v1(61.59,13.29) 61.46,13.43 61.11,13.43 61.07,13.47 60.58,13.47 ; C4.1 51.16,46.8 51.16,46.55 ; 60.58,13.47 60.58,15.33 60.32,15.58 59.31,15.58 59.13,15.4 FIL7.5 FIL7.5 ; 60.58,13.47 60.49,13.37 60.55,13.31 ; C50.1 16.51,44.6 16.51,43.77 17.02,43.27 18.03,43.27 18.54,43.77 18.54,44.28 U10.1 ; 108.35,67.47 108.65,67.77 108.65,70.06 109.8,71.21 C24.2 ; 108.35,67.47 108.35,64.44 107.9,63.98 ; U3.1 31.38,53.44 31.37,53.43 ; 57.68,80.34 57.8,80.45 57.8,81.23 57.63,81.39 U12.7 U12.7 55.92,81.39 55.75,81.23 ; U7.2 18.15,80.97 18.15,80.39 16.62,78.87 C42.2 v1(16.37,77.47) ; U12.13 55.89,83.39 U12.11 U12.11 ; 48.53,45.82 48.13,45.42 U1.27 ; 35.96,56.44 35.81,56.29 C19.2 36.83,57.11 41.15,57.11 43.13,55.13 R15.1 ; v1(18.4,86.36) 18.35,86.41 DZ2.3 ; 106.25,63.98 106.12,63.98 105.35,64.75 105.35,65.99 ; v2(23.11,16.22) 22.54,16.79 FIL6.17
  Top Layer w0.5: 55.22,7.09 55.22,7.58 53.97,8.82 53.97,10.51 ; 53.59,14.32 v2(53.59,12.91) 53.59,11.06 53.89,10.76 53.9,10.76 53.95,10.71 R31.1 ; 51.26,46.9 51.26,46.3 50.77,45.82 48.53,45.82 ; R32.2 62.58,8.48 61.42,7.32 61.42,7.09 ; C37.1 15.94,86.69 14.69,86.69 14.59,86.59 v1(14.45,86.59) ; v1(51.56,58) 52.2,57.36 C20.2 52.2,54.95 46.88,49.63 U4.4 ; 59.66,13.37 60.49,13.37
  Top Layer w0.6: 54.76,80.34 55.27,80.34 ; 54.76,80.34 54.74,80.36 U12.13 ; 54.76,80.34 51.84,80.34 ; 55.27,80.34 55.78,80.34 ; 55.27,80.34 55.25,80.36 U12.13 U12.13 ; 54.76,84.91 54.74,84.89 54.74,84.53 ; 54.76,84.91 54.79,84.94 ; 54.76,84.91 54.88,84.91 ; C28.1 v1(97.36,66.14) ; 107.52,63.98 107.9,63.98 107.9,63.47 104.85,60.43 101.68,60.43 101.29,60.81 v1(101.29,61.31) 101.34,61.31 ; 107.52,63.98 107.39,63.85 107.39,63.73 104.47,60.81 101.85,60.81 101.34,61.31 ; 107.52,63.98 107.01,63.98 ; 52.2,74.75 52.2,72.98 50.84,71.62 50.84,71.05 ; 52.2,74.75 58.7,74.75 58.83,74.88 58.83,80.34 ; 52.2,74.75 51.82,74.75 ; 57,84.91 57,86.71 ; 57,84.91 56.49,84.91 ; 57,84.91 57.48,84.91 57.53,84.97 ; 33.81,79.58 36,79.58 ; 33.81,79.58 33.81,79.2 ; 33.81,79.58 33.81,79.65 33.76,79.7 L3.3 33.34,79.7 32.87,80.17 L3.3 ; 36,79.58 35.62,79.2 33.81,79.2 ; 36,79.58 37.24,79.58 37.49,79.32 DZ4.2 40.33,79.32 ; C1.1 55.41,40.87 55.43,40.85 C2.2 55.83,40.85 55.84,40.87 C9.1 ; 104.77,84.67 104.79,84.65 104.79,83.4 ; 55.78,84.91 55.78,86.36 55.43,86.71 ; 55.78,84.91 55.36,84.91 ; 55.78,84.91 56.11,84.91 ; 55.78,84.91 55.78,84.47 ; 104.77,86.83 104.77,88.01 104.42,88.37 U5.1 C22.2 C21.2 ; 104.77,86.83 v1(104.77,84.8) ; 104.77,86.83 99.06,86.83 98.42,86.19 97.87,86.19 97.86,86.21 C23.2 ; 33.81,79.07 33.81,79.2 ; U12.13 55.75,80.36 55.78,80.34 ; 51.33,79.45 C62.1 C61.1 C60.1 ; 51.33,79.45 49.94,79.45 C56.2 49.98,80.34 51.33,80.34 ; 51.33,79.45 51.33,80.34 ; 57.53,84.97 57.53,86.71 ; 57.53,84.97 57.89,85.32 57.89,86.36 57.53,86.71 ; 56.11,86.71 56.49,86.71 ; 56.11,86.71 56.11,84.91 ; 56.11,86.71 55.43,86.71 ; 56.49,86.71 56.49,84.91 ; 56.49,86.71 57,86.71 ; C5.1 36.78,47.51 v1(36.19,48.09) ; 50.84,71.05 50.84,66.48 50.46,66.48 ; 50.84,71.05 50.46,71.43 ; 58.44,75.26 v2(58.19,75.51) 57.94,75.77 ; 58.44,75.26 58.44,79.83 v2(58.19,79.83) v2(55.52,79.83) v2(52.73,79.83) 52.35,79.83 52.35,75.77 52.73,75.77 ; 58.44,75.26 55.52,75.26 ; 54.33,86.71 54.84,86.71 ; 54.33,86.71 53.82,86.71 ; 54.33,86.71 54.33,84.94 ; 54.84,86.71 54.84,84.99 54.79,84.94 ; 54.84,86.71 55.43,86.71 ; 8.26,23.79 8.26,22.63 8.51,22.38 8.51,19.52 9.3,18.72 ; 8.26,23.79 8,23.53 8,19.52 8.79,18.72 9.3,18.72 ; 8.26,23.79 8.26,24.09 ; 8.45,0.97 7.83,0.97 7.8,1 6.54,1 5.94,1.6 v2(5.94,1.62) 5.05,2.51 5.05,10.64 6.2,11.78 7.81,11.78 ; 55.78,80.34 58.83,80.34 ; v1(83.51,28.8) J1.1 ; 51.84,80.34 51.33,80.34 ; 51.84,80.34 51.84,75.26 52.73,75.26 ; v1(103.58,73.63) 102.89,72.94 102.44,72.94 R16.2 ; 46.14,64.31 45.08,65.36 45.08,65.59 ; 46.14,64.31 47.5,62.95 49.69,62.95 50.04,63.3 50.04,63.33 50.55,63.84 50.55,66.39 50.46,66.48 ; 46.14,64.31 C59.2 45.08,65.59 ; 50.46,71.43 v2(50.46,68.64) 50.46,66.48 ; 50.46,71.43 47.28,71.43 46.56,70.71 ; 50.46,71.43 50.93,71.9 50.93,72.35 51.82,73.24 51.82,74.75 ; 50.46,71.43 50.46,72.39 ; 54.33,84.94 54.79,84.94 ; 54.33,84.94 53.82,84.94 ; 54.79,84.94 54.85,84.94 54.88,84.91 ; J1.2 J1.2 93.83,27.43 v1(93.8,27.41) ; C39.1 20.38,86.74 20.38,86.94 21.74,88.31 21.74,88.37 C43.1 v1(23.21,88.37) ; v1(53.47,31.07) 58.42,31.07 58.93,31.58 58.93,35.01 ; C60.1 51.33,74.38 51.43,74.27 51.43,73.37 50.46,72.39 ; C60.1 51.82,74.75 ; J2.1 22.2,36.37 23.07,36.37 24,37.3 v2(24,37.42) ; 57.66,62.82 R26.1 56.26,63.02 56.31,63.07 Q3.2 ; 58.93,35.01 58.93,37.55 v2(57.28,39.2) 57.23,39.2 ; 58.93,35.01 58.48,34.57 57.22,34.57 ; C13.2 57.22,34.57 ; 57.22,34.57 57.22,35.08 ; 57.22,34.57 v2(54.3,34.57) ; 46.56,70.71 45.02,70.71 44.53,71.21 ; 46.56,70.71 46.18,70.33 46.73,70.33 46.77,70.29 ; 53.82,86.71 53.31,86.71 53.31,84.94 53.82,84.94 ; 53.82,86.71 53.82,84.94 ; 52.73,75.77 57.94,75.77 ; 52.73,75.77 v2(52.73,75.51) 52.73,75.26 ; 44.53,71.21 44.53,70.33 C57.2 ; 44.53,71.21 46.48,71.21 47.12,71.84 49.91,71.84 50.46,72.39 ; 44.53,71.21 v3(43.66,71.22) 43.68,71.21 ; 57.23,39.2 C9.1 ; 57.23,39.2 57.23,39.15 ; 57.23,39.2 57.14,39.2 57.01,39.08 C3.1 55.63,38.62 51.89,34.88 ; C9.1 C10.2 ; 48.77,21.93 48.08,22.62 C8.1 C7.1 ; 46.77,70.29 47.47,69.59 U13.1 ; 46.77,70.29 47.15,70.67 47.15,70.93 49.95,70.93 50.08,71.05 50.08,66.48 50.46,66.48 ; 55.78,84.47 55.71,84.53 54.74,84.53 ; 55.78,84.47 55.78,84.02 ; 54.88,84.91 55.36,84.91 ; 54.88,84.91 55.13,84.66 55.27,84.66 55.36,84.75 55.36,84.91 ; 56.11,84.91 56.49,84.91 ; 55.36,84.91 55.36,85.11 55.43,85.17 55.43,86.71 ; C24.2 C25.2 ; C29.2 105.4,79.98 104.79,80.59 U6.5 104.79,83.4 ; 101.4,61.31 101.78,61.7 103.96,61.7 106.25,63.98 107.01,63.98 ; 101.4,61.31 101.34,61.31 ; 101.4,61.31 104.34,61.31 107.01,63.98 ; 41.22,69.75 v3(41.22,69.75) 41.22,69.75 40.28,68.81 C58.2 ; 58.83,80.34 59.97,80.34 60.35,80.72 60.35,81.35 ; R8.2 95.51,44.04 95.33,44.22 Q2.2 93.65,45.92 v1(93.67,45.95) ; U12.13 55.78,83.56 55.78,84.02 ; 21.95,0.52 22.57,1.14 v2(25.53,1.14) ; U12.13 54.74,84.02 ; 54.74,84.02 54.74,84.53 ; 54.74,84.02 55.78,84.02 ; 9.3,18.72 v2(9.4,18.63) 9.4,16.76 J3.CD2 J3.CD2 ; 29.46,26.76 C11.2 ; 29.46,26.76 C12.1 ; 29.46,26.76 v2(29.46,25.36) ; 76.78,47.38 C49.2 76.58,48.61 76.58,48.64 76.23,49 U9.15 ; C33.2 C26.1 C27.1 115.14,66.14 v1(114.12,65.12) 114.2,65.05 114.32,65.05 115.14,64.24 C34.2 115.14,63.4 C32.2 R18.1 ; DZ5.2 45.08,65.59 ; U3.4 31.86,49.63 31.37,50.12 31.37,53.93 33.52,56.08 34.28,56.08 v1(34.29,56.09) C19.2 ; 57,86.71 57.53,86.71 ; R2.1 43.13,23.33 44.45,23.33 C18.2 C17.2 42.71,21.55 ; C23.2 97.48,82.82 v1(97.92,82.38) 97.92,81.25 C31.2 ; C23.2 97.11,86.21 DZ1.2 ; C52.2 C51.2 52.4,14.32 52.39,14.31 51.82,14.31 51.68,14.45 U11.1 49.32,14.45 48.97,14.8 C53.2 ; 12.57,16.77 12.57,16.78 12.57,18.12 v1(12.57,18.12) 12.57,18.23 12.95,18.61 C36.2 ; 52.73,75.26 55.52,75.26 ; 40.33,79.35 C55.2 ; 57.94,75.77 57.94,79.32 52.86,79.32 52.86,76.27 57.43,76.27 57.43,78.81 53.36,78.81 53.36,76.78 56.92,76.78 56.92,78.31 53.87,78.31 53.87,77.29 56.41,77.29 56.41,77.8 54,77.8 ; R21.2 103.96,83.4 104.79,83.4 ; 55.52,75.26 v2(55.52,75.51) ; J3.SCH 22.87,16.1 22.98,16.22 v2(23.11,16.22) ; 15.24,44.03 15.94,44.03 16.39,44.48 16.39,44.68 C50.1 ; C4.1 51.31,47.9 51.66,48.25 v1(51.66,48.36) ; C48.1 62.85,43.92 61.44,45.32 v1(61.44,46.3) 61.52,46.38 61.52,47.14 62.27,47.89 64.77,47.89 C46.1 ; C16.1 56.51,29.42 ; 13.72,27.26 11.95,27.26 11.95,28.02 11.3,28.66 7.62,28.66 6.86,27.9 6.86,23.07
  Top Layer w1: 13.59,27.9 12.32,29.17 11.81,29.17 ; 13.59,27.9 13.59,27.65 13.72,27.65 ; 13.59,27.9 12.4,27.9 11.81,28.49 11.81,29.17 ; 11.81,29.17 7.24,29.17 6.1,28.03 v1(6.1,23.45) 6.48,23.07 8,23.07 ; 32.87,79.32 33.5,78.69 v2(36.09,78.69) ; DZ4.2 38,79.07 36.35,79.07
  Layer 1 w0.254: J7'1.3 103.96,103.16 106.81,106 126.49,106 139.19,93.3 139.19,32.09 102.74,-4.36 36.45,-4.36 32.51,-0.42 32.51,14.04 J7.3
  Bottom Layer w0.6: 59.62,37.62 58.08,39.16 57.32,39.16 v2(57.28,39.2) ; 59.62,37.62 59.62,31.43 59.27,31.07 v1(53.47,31.07) 53.21,31.07 52.83,31.46 52.83,34.57 ; 59.62,37.62 53.28,37.62 52.83,37.17 52.83,34.57 ; 52.83,34.57 v2(54.3,34.57) ; v3(41.22,69.75) 42.19,69.75 v3(43.66,71.22)
  Bottom Layer w1: v1(12.57,18.12) 12.06,18.63 v2(9.4,18.63)
  vias: v1(22.09,77.47) v1(48.89,21.93) v1(53.57,86.46) v1(55.35,84.94) v1(55.47,86.46) v1(56.64,29.42) v1(57.25,85.19) v1(57.38,86.46) v1(57.78,62.82) v1(76.83,47.33) v1(106.55,79.97) v2(15.11,44.03) v2(62.58,8.36)
+AL: length 28.1
  Top Layer w1: F1.1 31.85,86.48 31.95,86.58
  Top Layer w1.2: 39.98,90.12 42.14,87.96 51.28,87.96 53.6,90.28 54.13,90.28 54.33,90.48 D1.1
  Top Layer w1.5: 32.23,86.18 36.93,86.18 40.33,89.58 40.08,89.82 J4.3 40.05,91.03
-RES_DISP: length 309.2
  Top Layer w0.28: 105.1,72.74 R17.2 ; v1(33.53,44.16) 35.41,44.16 36.55,43.01 37.21,43.01 37.63,43.43 U1.48
  Top Layer w0.3: R17.2 105.1,71.98 106.25,70.83 106.25,69.25
  Top Layer w0.4: R17.2 105.1,73.63 106.37,74.9 v1(113.74,74.9)
  Layer 1 w0.254: J7.6 36.32,15.31 36.32,-0.17 38.86,-2.71 101.85,-2.71 137.67,33.11 137.67,92.54 125.73,104.48 108.71,104.48 107.82,103.59 107.82,97.31 J7'1.6
  Bottom Layer w0.28: v1(33.53,44.16) 33.53,39.71 34.92,38.31 34.92,16.71 J7.6
  Bottom Layer w0.4: J7'1.6 106.5,91.67 113.74,84.43 v1(113.74,74.9)
